# Altium PCB Pleiades_Frouf.PcbDoc (part 7 of 12) (continued)
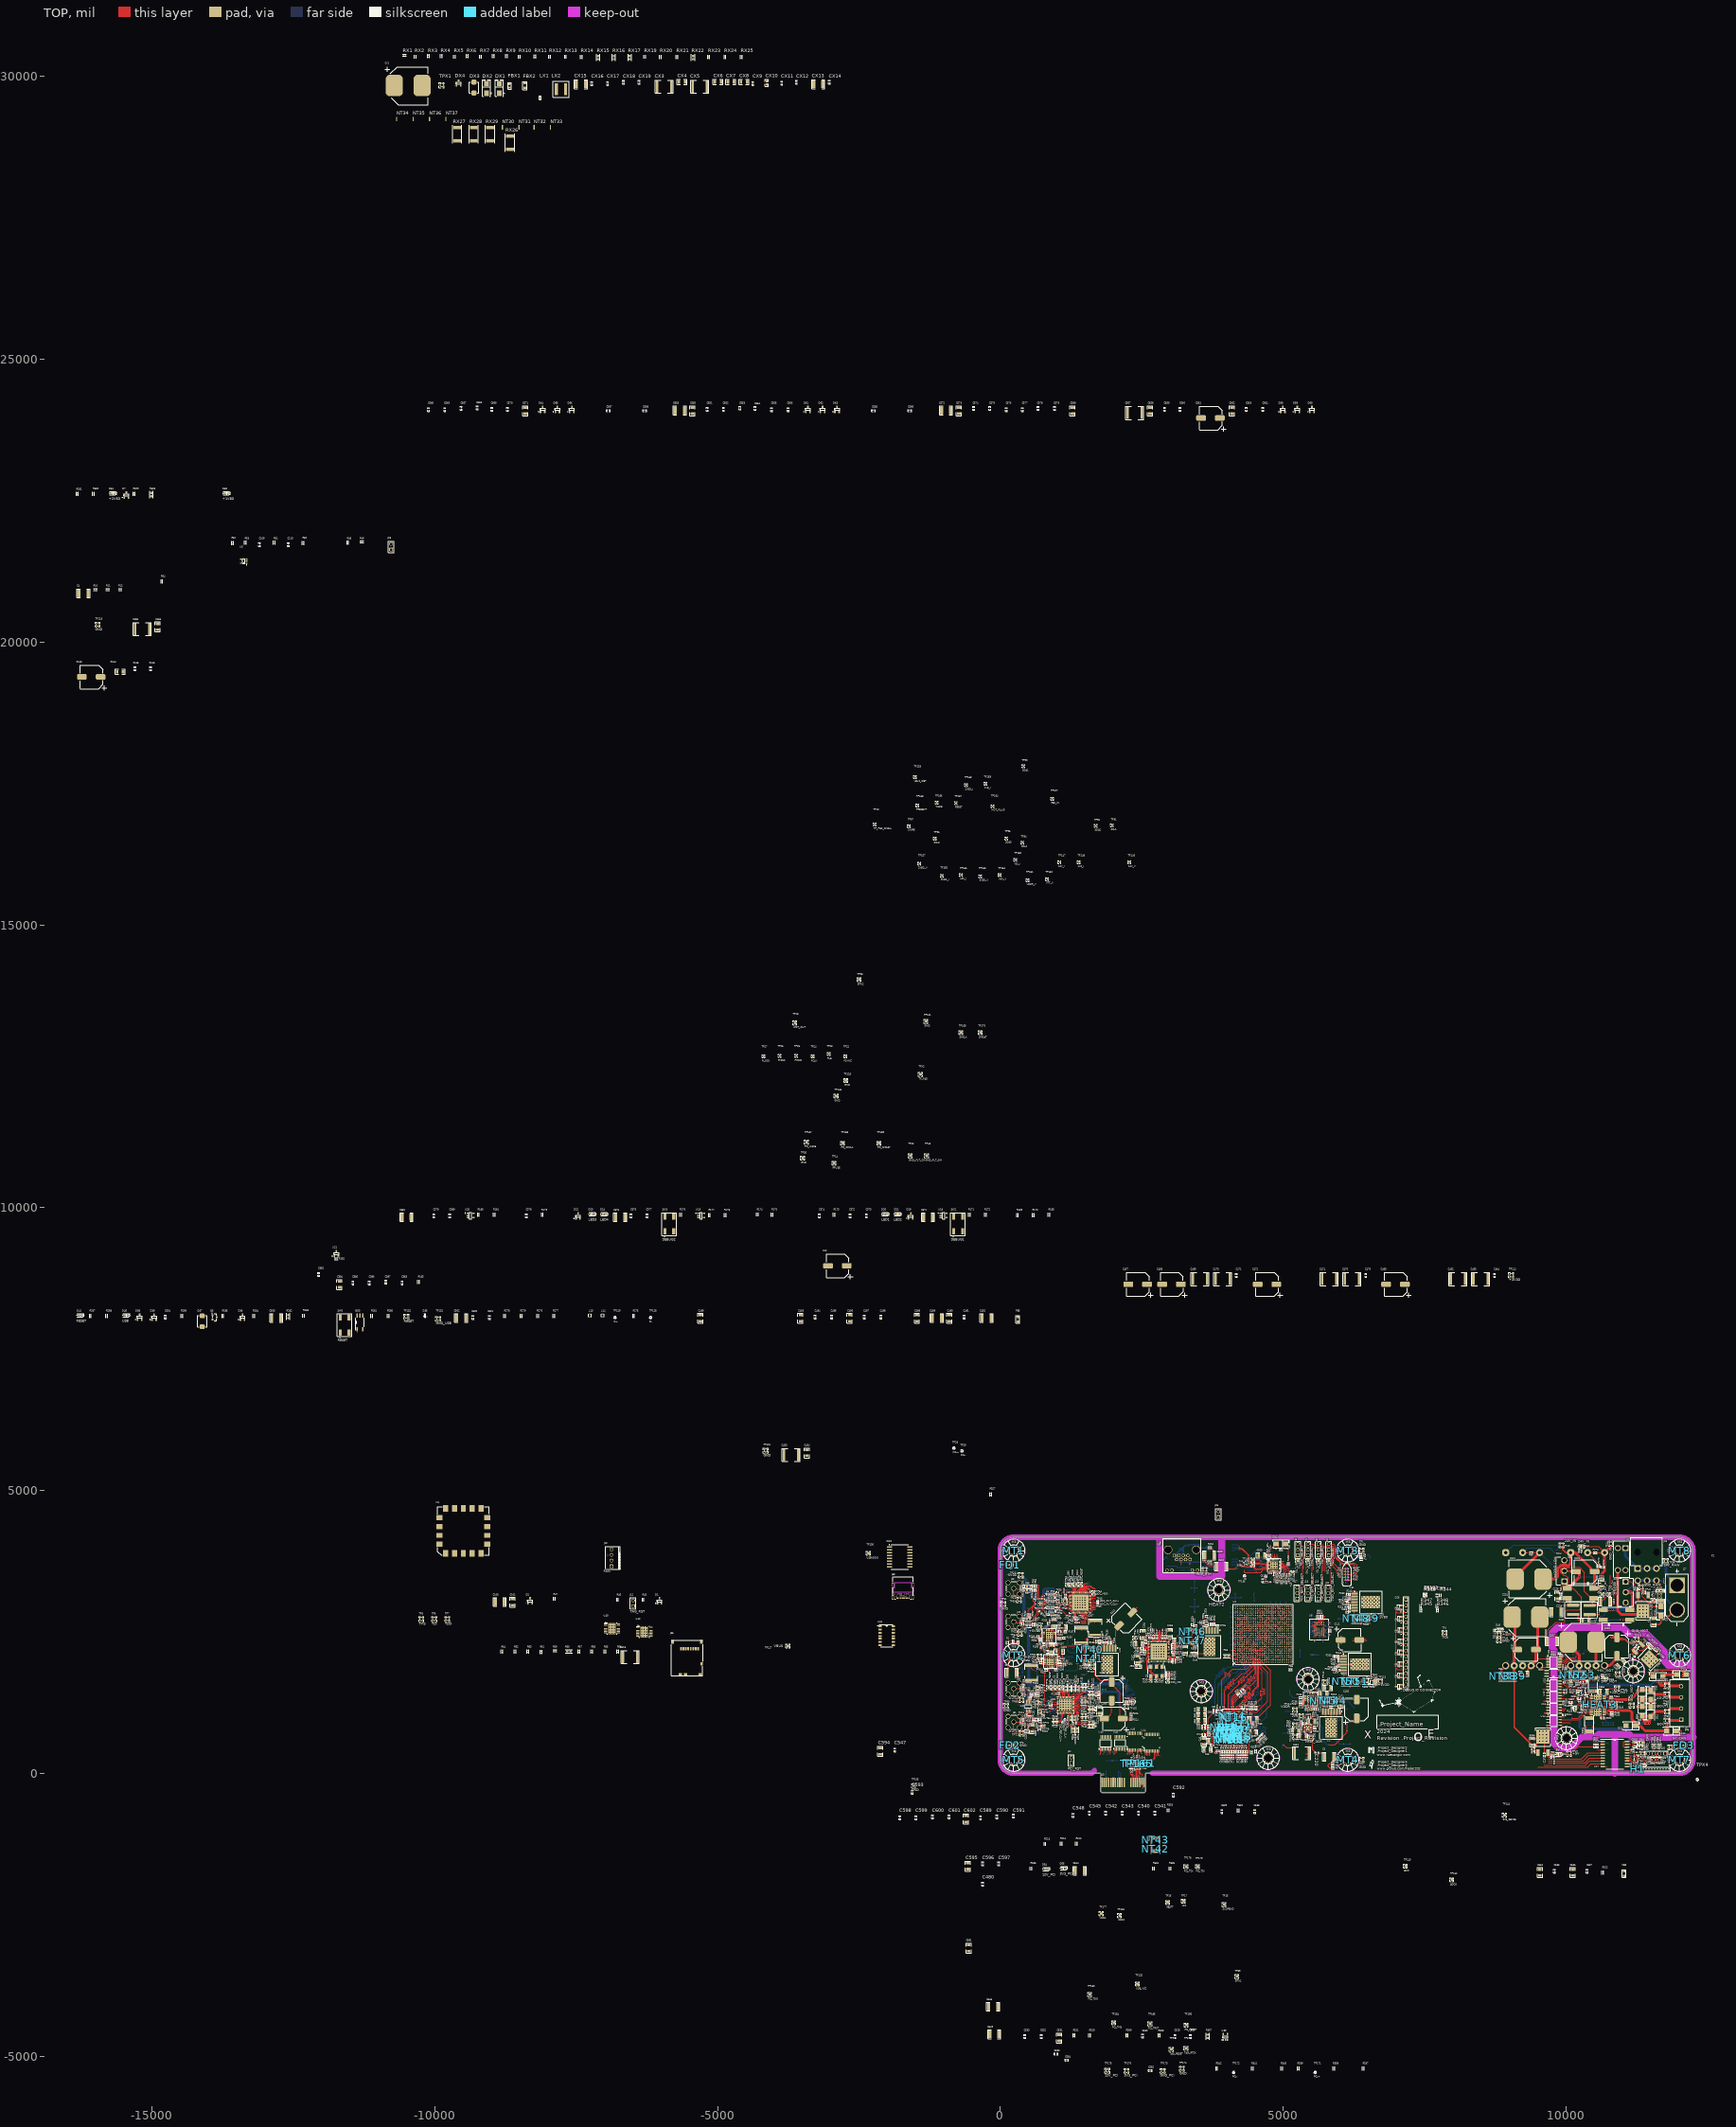
[diagram p0: TOP view]
## Nets (pads, with @x,y where several pads share a name; then routed paths per layer and width w, separated by ;. In a path a pad name is that pad's centre, name@x,y a point inside that pad or via, vN(x,y) a via of type N, cw(c..) or ccw(c..) an arc to the next point about the centre after c; other vN are vias at no path point) (continued)
CLK_ADC_OUT_N: TP50.1 U2.A13 U8.56 | length 230.9
  TOP w4.33: U8.56@1587.36,3006.92 1598.3,3006.92 1603.48,3012.1 1719.17,3012.1 1723.6,3007.67 ; TP50.1@1723.6,2987.23 1723.6,3007.67 ; 1766.66,3012.74 1726.97,3012.74 1723.6,3009.36 1723.6,3007.67 ; v1(4139.84,2452.6) 4155.43,2437.01 U2.A13@4157.48,2437.01
CLK_ADC_OUT_P: TP48.1 U2.C13 U8.57 | length 226
  TOP w4.33: U8.57@1587.36,3026.6 1598.3,3026.6 1603.48,3021.42 1719.57,3021.42 1723.6,3025.45 ; TP48.1@1723.6,3042.5 1723.6,3025.45 ; 1766.66,3022.07 1726.13,3022.07 1723.6,3024.6 1723.6,3025.45 ; U2.C13@4236.22,2437.01 v1(4251.93,2452.72) v1@4251.93,2454.45
CLK_DAC_200MHZ_3_N: R125.1 U4.20 U10.4 | length 3670.9
  TOP w4.33: R125.1@999.16,883.4 999.16,910.51 1001.69,913.04 1015.9,913.04 1018.72,915.85 1023.95,915.85 1026.6,913.21 v1@1028.59,913.21 ; v1@1027.36,911.97 v1@1028.59,913.21 ; v1(1028.67,913.21) v1@1028.59,913.21 ; U10.4@1105.94,1071.38 1105.94,1059.45 1100.77,1054.27 1100.77,1005.59 1086.01,990.84 1086.01,944.69 1070.44,929.11 1070.44,921.03 1056,906.59 1044.69,906.59 1037.88,913.4 1028.79,913.4 v1@1028.59,913.21 ; U4.20@2889.76,2327.91 2889.76,2338.85 2894.94,2344.03 2894.94,2380.19 2890.86,2384.27 2890.86,2430.05 v1(2890.6,2430.32)
  IN2 w2.87: v1(1028.67,913.21) 1028.67,1381.17 1046.74,1399.23 1046.74,2273.83 1098.48,2325.57 2796.72,2325.57 2889.85,2418.69 2889.85,2429.56 v1(2890.6,2430.32) v1@2886.63,2430.32
CLK_DAC_200MHZ_3_P: R126.1 U4.19 U10.3 | length 3619.1
  TOP w4.33: R126.1@999.16,952.01 999.16,924.9 1001.69,922.37 1012.04,922.37 1017.89,928.22 v1@1045.75,928.22 ; v1@1046.96,929.42 v1(1045.94,928.4) v1@1045.75,928.22 ; U10.3@1086.26,1071.38 1086.26,1059.45 1091.44,1054.27 1091.44,1009.45 1076.69,994.7 1076.69,948.55 1061.12,932.98 1061.12,924.89 1052.14,915.91 1048.55,915.91 1045.5,918.96 1045.5,927.97 v1@1045.75,928.22 ; v1(2905,2410) 2905,2407.92 2900.19,2403.11 2900.19,2388.13 2904.27,2384.05 2904.27,2344.03 2909.45,2338.85 U4.19@2909.45,2327.91
  IN2 w2.87: v1(1045.94,928.4) 1045.94,928.66 1037.84,936.75 1037.84,1377.37 1052.57,1392.1 1052.57,1393.94 1055.26,1396.62 1055.26,1402.38 1054.61,1403.03 1054.61,2270.57 1101.74,2317.69 2799.98,2317.69 2891.54,2409.25 2904.25,2409.25 v1(2905,2410)
CLK_FPGA_100MHZ_N: TP29.1 U2.B14 U4.28 | length 174.9
  TOP w4.33: U4.28@2732.28,2327.91 2732.28,2338.85 2737.46,2344.03 2737.46,2475 ; U2.B14@4196.85,2476.38 4197.56,2476.38 v1(4215.2,2458.74)
CLK_FPGA_100MHZ_P: TP28.1 U2.A14 U4.27 | length 175.3
  TOP w4.33: 2746.79,2475 2746.79,2344.03 2751.97,2338.85 U4.27@2751.97,2327.91 ; U2.A14@4157.48,2476.38 v1(4175.12,2458.74) v1@4176.22,2458.74
CLKOUT: U2.AD18 U5.C2 | length 48.6
  TOP w6: U2.AD18@5062.99,2633.86 5081.34,2615.51 v1(5081.34,2615) ; v1(5671.79,2515.07) 5687.19,2499.67 U5.C2@5687.5,2499.67
COL_CONFIG0: U2.R24 U38.28 | length 127.9
  TOP w6: U2.R24@4708.66,2870.08 4710.74,2870.08 v1(4730,2850.82) ; U38.28@4853.86,3774.83 4853.86,3873.37
CRS_CONFIG1: U2.N20 U38.29 | length 76.2
  TOP w6: U2.N20@4629.92,2712.6 4631.38,2712.6 v1(4648.78,2730) ; U38.29@4834.17,3774.83 4834.17,3825
D0_N: R148.1 U2.F11 U10.28 | length 174.8
  TOP w4.33: R148.1@1157.01,1470.95 1157.01,1440.49 1204.37,1393.13 U10.28@1204.37,1345 ; U2.F11@4354.33,2358.27 4354.33,2361.81 v1(4372.52,2380)
D0_P: R145.1 U2.D11 U10.27 | length 153.8
  TOP w4.33: U10.27@1224.06,1345 1224.06,1466.71 R145.1@1228.2,1470.86 ; U2.D11@4275.59,2358.27 4275.59,2358.98 v1(4293.62,2377.01)
D1_N: R141.1 U2.E9 U10.26 | length 192.7
  TOP w4.33: U10.26@1243.74,1345 1243.74,1373.68 1250.69,1380.63 1276.91,1380.63 1300.99,1404.71 R141.1@1300.99,1469.09 ; v1(4293.62,2299.39) 4295.1,2299.39 U2.E9@4314.96,2279.53
D1_P: R138.1 U2.F9 U10.25 | length 214.7
  TOP w4.33: U10.25@1263.43,1345 1263.43,1350.96 1266.52,1354.06 1294.02,1354.06 1368.85,1428.89 R138.1@1368.85,1471.83 ; U2.F9@4354.33,2279.53 v1(4373.59,2298.79) v1@4374.44,2298.79
D2_N: R135.1 U2.A11 U10.24 | length 342.8
  TOP w4.33: U10.24@1291.97,1316.46 1301.38,1316.46 1412.6,1427.68 1412.6,1518.36 1454.03,1559.79 R135.1@1454.03,1560.7 ; v1(4140.08,2377.01) 4157.48,2359.61 U2.A11@4157.48,2358.27
D2_P: R132.1 U2.C11 U10.23 | length 309.9
  TOP w4.33: U10.23@1291.97,1296.77 1314.65,1296.77 1454.03,1436.14 R132.1@1454.03,1495.62 ; U2.C11@4236.22,2358.27 v1(4257.69,2379.74) v1@4257.69,2380
D3_N: R147.1 U2.C10 U10.22 | length 351
  TOP w4.33: U10.22@1291.97,1277.09 1317.88,1277.09 1468.93,1428.13 R147.1@1580.36,1428.13
D3_P: R144.1 U2.D10 U10.21 | length 361.4
  TOP w4.33: U10.21@1291.97,1257.4 1330.08,1257.4 1425.5,1352.83 1425.5,1360.6 1428.04,1363.13 R144.1@1579.8,1363.13 ; v1(4257.69,2336.54) 4275.33,2318.9 U2.D10@4275.59,2318.9
D4_N: R140.1 U2.C8 U10.16 | length 237.8
  TOP w4.33: U10.16@1291.97,1158.98 1351.14,1158.98 1443.11,1067 1443.11,1047.24 R140.1@1452.73,1037.62 ; v1(4236.22,2225) U2.C8@4236.22,2240.16
D4_P: R137.1 U2.D8 U10.15 | length 302.5
  TOP w4.33: U10.15@1291.97,1139.29 1327.03,1139.29 1390.84,1075.49 1390.84,1009.71 1429.48,971.07 R137.1@1453.17,971.07 ; U2.D8@4275.59,2240.16 4275.59,2242.99 v1(4297,2264.41)
D5_N: R134.1 U2.A8 U10.14 | length 498.6
  TOP w4.33: U10.14@1291.97,1119.61 1313.55,1119.61 1368.48,1064.68 1368.48,902.86 1371.01,900.33 R134.1@1576.34,900.33 ; v1(4140.08,2261.57) 4140.08,2257.56 U2.A8@4157.48,2240.16
D5_P: R131.1 U2.B8 U10.13 | length 514
  TOP w4.33: U10.13@1291.97,1099.92 1303.19,1099.92 1351.14,1051.97 1351.14,887.26 1365.44,872.96 1501.68,872.96 1544.58,830.06 R131.1@1574.59,830.06 ; v1(4180,2225) 4181.69,2225 U2.B8@4196.85,2240.16
D6_N: R146.1 U2.A9 U10.12 | length 140.5
  TOP w4.33: U10.12@1263.43,1071.38 1263.43,1065.41 1266.52,1062.32 1288.59,1062.32 1314.65,1036.26 1314.65,1003.45 R146.1@1313.02,1001.82 ; v1(4129.37,2298.79) 4138.22,2298.79 U2.A9@4157.48,2279.53
D6_P: R143.1 U2.C9 U10.11 | length 96.2
  TOP w4.33: U10.11@1243.74,1071.38 1243.74,1002.23 R143.1@1244.16,1001.82 ; v1(4218.82,2298.79) 4236.22,2281.39 U2.C9@4236.22,2279.53
D7_N: R139.1 U2.A10 U10.10 | length 435.5
  TOP w4.33: U10.10@1224.06,1071.38 1224.06,1037.45 1204.37,1017.77 1204.37,888.85 1272.77,820.45 1350.81,820.45 1358.35,812.91 R139.1@1358.35,788.99 ; v1(4129.37,2336.54) 4139.84,2336.54 U2.A10@4157.48,2318.9
D7_P: R136.1 U2.B10 U10.9 | length 370.9
  TOP w4.33: U10.9@1204.37,1071.38 1204.37,1035.51 1187.01,1018.15 1187.01,874.75 1271.62,790.15 1289.82,790.15 1292.62,787.34 R136.1@1294.27,788.99 ; v1(4180,2304.12) 4194.78,2318.9 U2.B10@4196.85,2318.9
DA0_N: U2.C14 U8.40 | length 239.2
  TOP w4.33: U8.40@1401.34,2840.58 1401.34,2829.64 1406.52,2824.46 1406.52,2815.1 1498.93,2722.68 1549.6,2722.68 ; U2.C14@4236.22,2476.38 4257.24,2497.4 v1(4257.69,2497.4)
DA0_P: U2.D14 U8.41 | length 220.8
  TOP w4.33: U8.41@1421.02,2840.58 1421.02,2829.64 1415.84,2824.46 1415.84,2818.96 1502.8,2732.01 1549.6,2732.01 ; U2.D14@4275.59,2476.38 4276.48,2476.38 v1(4295.1,2495)
DA2_N: U2.A15 U8.42 | length 190.6
  TOP w4.33: U8.42@1440.71,2840.58 1440.71,2829.64 1445.89,2824.46 1445.89,2815.1 1521.65,2739.33 1549.6,2739.33 ; U2.A15@4157.48,2515.75 4158.44,2515.75 4176.79,2497.4 v1(4177.74,2497.4)
DA2_P: U2.C15 U8.43 | length 177.1
  TOP w4.33: U8.43@1460.39,2840.58 1460.39,2829.64 1455.21,2824.46 1455.21,2818.96 1525.52,2748.66 1549.6,2748.66 ; v1(4214.58,2535.41) 4215.57,2535.41 4235.24,2515.75 U2.C15@4236.22,2515.75
DA4_N: U2.A16 U8.44 | length 135.3
  TOP w4.33: U8.44@1480.08,2840.58 1480.08,2829.64 1485.26,2824.46 1485.26,2815.1 1537.96,2762.39 1546.38,2762.39 ; v1(4143.02,2536.38) 4144.48,2537.85 4144.48,2542.12 U2.A16@4157.48,2555.12
DA4_P: U2.B16 U8.45 | length 131.9
  TOP w4.33: U8.45@1499.76,2840.58 1499.76,2829.64 1494.58,2824.46 1494.58,2818.96 1541.83,2771.72 1556.6,2771.72 ; v1@4178.06,2536.38 U2.B16@4196.8,2555.12
  other v1: 4178.02,2536.38
DA6_N: U2.G14 U8.46 | length 94.9
  TOP w4.33: U8.46@1519.45,2840.58 1519.45,2829.64 1524.63,2824.46 1524.63,2802.56 1542.52,2784.67 1572,2784.67
DA6_P: U2.J14 U8.47 | length 69.9
  TOP w4.33: U8.47@1539.13,2840.58 1539.13,2829.64 1533.95,2824.46 1533.95,2806.42 1546.38,2794 1562.4,2794
DA8_N: U2.H15 U8.50 | length 123.5
  TOP w4.33: U8.50@1587.36,2888.81 1598.3,2888.81 1603.48,2893.99 1685,2893.99 ; U2.H15@4433.07,2515.75 4434.05,2515.75 v1(4450.15,2531.85)
DA8_P: U2.J15 U8.51 | length 124.5
  TOP w4.33: U8.51@1587.36,2908.49 1598.3,2908.49 1603.48,2903.31 1685,2903.31 ; U2.J15@4472.44,2515.75 v1(4489.8,2533.11) v1@4490,2533.11
DA10_N: U2.C16 U8.52 | length 126.2
  TOP w4.33: U8.52@1587.36,2928.18 1598.3,2928.18 1603.48,2933.36 1685,2933.36 ; U2.C16@4236.22,2555.12 4237.29,2555.12 v1(4255.24,2537.17)
DA10_P: U2.D16 U8.53 | length 123.8
  TOP w4.33: U8.53@1587.36,2947.86 1598.3,2947.86 1603.48,2942.68 1685,2942.68 ; U2.D16@4275.59,2555.12 4275.59,2551.81 v1(4290.24,2537.17)
DA12_N: U2.F15 U8.54 | length 134.9
  TOP w4.33: U8.54@1587.36,2967.55 1598.3,2967.55 1603.48,2972.73 1685,2972.73 ; U2.F15@4354.33,2515.75 4375.75,2537.17 v1(4380.59,2537.17)
DA12_P: U2.G16 U8.55 | length 128
  TOP w4.33: U8.55@1587.36,2987.23 1598.3,2987.23 1603.48,2982.05 1685,2982.05 ; U2.G16@4393.7,2555.12 4411.06,2572.48 v1(4411.06,2576.14)
DAC_SCLK: TP73.1 U2.P6 U10.32 | length 249.4
  TOP w6: TP73.1@1014.37,1521.29 1125.63,1410.03 U10.32@1125.63,1345 ; U2.P6@4669.29,2161.42 4669.29,2160.23 4686.69,2142.83 v1(4686.69,2141.65)
DB0_N: U2.E16 U8.60 | length 124.2
  TOP w4.33: U8.60@1587.36,3085.66 1598.3,3085.66 1603.48,3090.84 1681.14,3090.84 ; U2.E16@4314.96,2555.12 4332.56,2572.72 v1(4332.56,2576.14)
DB0_P: U2.F16 U8.61 | length 119.6
  TOP w4.33: U8.61@1587.36,3105.34 1598.3,3105.34 1603.48,3100.16 1681.14,3100.16 ; U2.F16@4354.33,2555.12 4354.33,2558.01 v1(4369.05,2572.72)
DB2_N: U2.A17 U8.62 | length 122.2
  TOP w4.33: U8.62@1587.36,3125.03 1598.3,3125.03 1603.48,3130.21 1681.14,3130.21 ; U2.A17@4157.48,2594.49 4158.18,2594.49 v1(4176.3,2612.6)
DB2_P: U2.C17 U8.63 | length 124.4
  TOP w4.33: U8.63@1587.36,3144.71 1598.3,3144.71 1603.48,3139.53 1681.14,3139.53 ; U2.C17@4236.22,2594.49 4239.12,2594.49 v1(4257.24,2612.6)
DB4_N: U2.D19 U8.2 | length 66.2
  TOP w4.33: v1(1528.17,3220.56) 1530.89,3220.56 1533.07,3222.74 1538.63,3217.17 1538.63,3193.44 U8.2@1539.13,3192.94 ; U2.D19@4275.59,2673.23 4275.59,2674.07 v1(4294.86,2693.33)
DB4_P: U2.E19 U8.3 | length 116.7
  TOP w4.33: U8.3@1519.45,3192.94 1518.58,3193.81 1518.58,3210.22 1513.97,3214.83 1513.97,3230.65 1524.05,3240.73 1542.09,3240.73 1547.45,3235.37 1549.18,3235.37 v1(1549.18,3229.9) ; U2.E19@4314.96,2673.23 v1(4335.07,2693.33) v1@4336.3,2693.33
DB6_N: U2.D20 U8.4 | length 3244.8
  TOP w4.33: U8.4@1499.76,3192.94 1499.76,3203.88 1494.58,3209.06 1494.58,3238.73 1516.16,3260.3 1537.4,3260.3 1559.36,3238.34 1580.66,3238.34 v1(1587.5,3231.5)
  TOP w6: U2.D20@4275.59,2712.6 v1(4294.17,2731.18) v1@4298.76,2731.18
  IN2 w2.87: v1(1587.5,3231.5) 1589.83,3231.5 1596.75,3238.42 1606.21,3238.42 1613.27,3245.47 1613.27,3249.1 1662.31,3298.14 1760.47,3298.14 1857.78,3200.83 3664.89,3200.83 4156.35,2709.37 4181.51,2709.37 4192.14,2698.75 4257.66,2698.75 4279.63,2720.72 4279.63,2735.46 4288.66,2744.49 4301.44,2744.49 4310.68,2735.24 4310.68,2732.86 4309,2731.18 v1(4294.17,2731.18)
DB6_P: U2.E20 U8.5 | length 3268.6
  TOP w4.33: U8.5@1480.08,3192.94 1480.08,3203.88 1485.26,3209.06 1485.26,3242.59 1512.3,3269.63 1541.26,3269.63 1563.22,3247.67 1580.66,3247.67 v1(1587.5,3254.5)
  TOP w6: U2.E20@4314.96,2712.6 4316.48,2712.6 v1(4335.07,2731.18)
  IN2 w2.87: v1(1587.5,3254.5) 1589.83,3254.5 1596.75,3247.59 1602.42,3247.59 1604.1,3249.27 1604.1,3252.89 1658.52,3307.31 1764.27,3307.31 1861.58,3210 3668.69,3210 4160.14,2718.54 4172.31,2718.54 4173.61,2717.24 4186.61,2717.24 4195.94,2707.92 4253.86,2707.92 4271.76,2725.82 4271.76,2738.72 4285.4,2752.36 4304.7,2752.36 4318.55,2738.5 4318.55,2732.86 4320.24,2731.18 v1(4335.07,2731.18)
DB8_N: U2.C20 U8.6 | length 3171.5
  TOP w4.33: U8.6@1460.39,3192.94 1460.39,3203.88 1455.21,3209.06 1455.21,3222.91 1510.08,3277.78 1526.28,3277.78 1527.1,3276.96 1552.55,3276.96 v1(1561.09,3268.42) ; U2.C20@4236.22,2712.6 4236.71,2712.6 v1(4256.33,2732.21)
  IN2 w2.87: v1(1561.09,3268.42) 1562.79,3270.12 1562.79,3284.02 1574.22,3295.46 1626.68,3295.46 1651.55,3320.33 1756.88,3320.33 1764.02,3313.18 1766.7,3313.18 1773.63,3306.25 3596.69,3306.25 4154.83,2748.11 4208.58,2748.11 4209.72,2746.97 4256.42,2746.97 4258.1,2745.29 4258.1,2733.99 v1(4256.33,2732.21)
DB8_P: U2.D21 U8.7 | length 3170.3
  TOP w4.33: U8.7@1440.71,3192.94 1440.71,3203.88 1445.89,3209.06 1445.89,3226.77 1506.22,3287.1 1530.15,3287.1 1530.97,3286.28 1537.73,3286.28 1543.65,3292.2 v1(1544.1,3292.2) ; v1(4259.88,2770.9) 4259.88,2769.29 4275.59,2753.57 U2.D21@4275.59,2751.97
  IN2 w2.87: v1(1544.1,3292.2) 1545.8,3290.5 1556.3,3290.5 1570.42,3304.63 1622.88,3304.63 1647.75,3329.5 1760.67,3329.5 1767.82,3322.36 1770.5,3322.36 1777.43,3315.42 3600.49,3315.42 4158.62,2757.29 4212.38,2757.29 4213.52,2756.14 4256.42,2756.14 4258.1,2757.82 4258.1,2769.12 v1(4259.88,2770.9)
DB10_N: U2.C18 U8.8 | length 3232.6
  TOP w4.33: U8.8@1421.02,3192.94 1421.02,3203.88 1415.84,3209.06 1415.84,3225.97 1495.24,3305.37 1593.1,3305.37 1636.54,3261.92 1674.77,3261.92 1681.14,3255.55 v1(1681.14,3254.5) ; U2.C18@4236.22,2633.86 4236.74,2633.86 4255.32,2652.44 v1(4255.84,2652.44)
  IN2 w2.87: v1(1681.14,3254.5) 1683.6,3254.5 1690.38,3261.29 1706.77,3261.29 1724.98,3279.5 1746.66,3279.5 1890.42,3135.74 3679.26,3135.74 3837.69,2977.31 3856.94,2977.31 4163.82,2670.44 4234.91,2670.44 4246.65,2658.71 4254.54,2658.71 4255.84,2660.01 v1(4255.84,2652.44)
DB10_P: U2.D18 U8.9 | length 3285
  TOP w4.33: U8.9@1401.34,3192.94 1401.34,3203.88 1406.52,3209.06 1406.52,3229.83 1491.38,3314.69 1596.96,3314.69 1640.4,3271.25 1678.22,3271.25 1684.21,3277.24 v1(1684.59,3277.24) ; U2.D18@4275.59,2633.86 v1(4294.86,2653.12) v1@4295.1,2653.12
  IN2 w2.87: v1(1684.59,3277.24) 1687.05,3277.24 1693.83,3270.46 1702.97,3270.46 1721.18,3288.67 1750.45,3288.67 1894.22,3144.91 3683.06,3144.91 3841.48,2986.49 3860.74,2986.49 4168.72,2678.5 4181.51,2678.5 4182.62,2679.61 4238.71,2679.61 4250.44,2667.88 4262.23,2667.88 4276.98,2653.12 v1(4294.86,2653.12)
DB12_N: U2.E17 U8.10 | length 3684.9
  TOP w4.33: U8.10@1381.65,3192.94 1381.65,3203.88 1376.47,3209.06 1376.47,3230.29 1495.05,3348.87 1534.49,3348.87 1540.86,3342.5 v1(1540.86,3342.06) ; U2.E17@4314.96,2594.49 4314.96,2597.05 v1(4332.91,2615)
  IN2 w2.87: v1(1540.86,3342.06) 1543.22,3342.06 1550.1,3348.94 3592.56,3348.94 3869.05,3072.45 4246,3072.45 4413.32,2905.13 4413.32,2672.06 4380.83,2639.56 4366.99,2639.56 4349.09,2621.66 4349.09,2615.48 4347.41,2613.8 4334.11,2613.8 v1(4332.91,2615)
DB12_P: U2.F17 U8.11 | length 3715.2
  TOP w4.33: U8.11@1361.97,3192.94 1361.97,3203.88 1367.15,3209.06 1367.15,3234.16 1491.18,3358.19 1536.15,3358.19 1542.52,3364.56 v1(1542.52,3365) ; U2.F17@4354.33,2594.49 4372.45,2612.6 v1(4374.44,2612.6)
  IN2 w2.87: v1(1542.52,3365) 1544.88,3365 1551.76,3358.12 3596.36,3358.12 3872.85,3081.63 4249.8,3081.63 4422.5,2908.93 4422.5,2668.26 4384.63,2630.39 4370.79,2630.39 4358.26,2617.86 4358.26,2615.48 4361.13,2612.61 v1(4374.44,2612.6)
DCI_N: R133.1 U2.D7 U10.18 | length 323.6
  TOP w4.33: U10.18@1291.97,1198.35 1390.84,1198.35 1412.6,1176.58 1568.7,1176.58 R133.1@1579.8,1165.49 ; U2.D7@4275.59,2200.79 4275.59,2202.22 v1(4290.24,2216.86)
DCI_P: R130.1 U2.E8 U10.17 | length 346.7
  TOP w4.33: U10.17@1291.97,1178.66 1373.94,1178.66 1412.6,1140 1539.64,1140 R130.1@1580.49,1099.15 ; U2.E8@4314.96,2240.16 4332.56,2257.76 v1(4332.91,2257.76)
DD_14_+: ISO2.10 L14.4
DD_14_-: ISO2.11 L14.1
DDR_PWR_EN: R229.2 U2.AE26 | length 28.8
  TOP w6: v1(5081.34,2930) 5083.54,2930 U2.AE26@5102.36,2948.82
DDR_SW_EN: R221.2 R225.1 U2.AA25 | length 72.9
  TOP w6: U2.AA25@4944.88,2909.45 4944.88,2907.52 v1(4964.33,2888.07)
  BOT w6: R221.2@5936.57,1129.35 R225.1@5936.57,1172.78
DDR_VTT_EN: R223.1 U2.AE25 | length 27.9
  TOP w6: U2.AE25@5102.36,2909.45 5102.36,2912.36 v1(5120,2930)
DEBUG_LED_1: R169.1 U2.AF9
DEBUG_LED_2: R170.1 U2.AD11
DEBUG_LED_3: R177.1 U2.AE11
DEBUG_LED_4: R178.1 U2.AF11
DECAY_12: C352.1 R162.1 R163.1 U13.5 | length 261.1
  TOP w8: v1(10375.38,1250.39) 10389.86,1264.86 U13.5@10456.79,1264.86
  BOT w8: v1(10069.33,1238.71) 10132.99,1238.71 ; R162.1@10122.5,1290.41 10122.5,1249.2 10132.99,1238.71 ; R163.1@10150.01,1200.89 10149.25,1201.65 10149.25,1237.95 C352.1@10148.49,1238.71 10132.99,1238.71
DIR_12: U13.3 U15.7 | length 675.4
  TOP w8: U15.7@9895.07,1581.99 9961.5,1581.99 9966.19,1577.3 9966.19,1571.31 10162.39,1375.1 10281.13,1375.1 10340.19,1316.04 U13.3@10456.79,1316.04
DIR_ISO: U2.P20 U15.2
DQ0: U1.E3 U2.H3 | length 1871.4
  TOP w8.89: v1(4156.49,884.91) 4157.08,884.31 4161.08,884.31 4171.37,874.02 4173.23,874.02 ; v1(4401.43,2025.01) 4402.02,2025.61 4415.37,2025.61 U2.H3@4433.07,2043.31
  BOT w8.89: v1(4156.49,884.91) 4171.49,884.91 4212.39,844 4554.86,844 4715,1004.14 4715,1742.79 4432.77,2025.01 v1(4401.43,2025.01)
DQ1: U1.F7 U2.H1 | length 1874.6
  TOP w8.89: 4204.72,874.02 4204.82,874.02 4220.81,890 v1(4220.9,890) ; U2.H1@4433.07,1964.57 4433.07,1937.74 4434.22,1936.6 v1(4434.22,1935.76)
  BOT w8.89: v1(4220.9,890) 4411.31,890 4418.4,897.09 4421.54,900.23 ccw(c4411.32,910.44) 4421.54,920.66 4406.61,935.58 cw(c4416.83,945.8) 4406.61,956.01 cw(c4416.83,945.8) 4427.04,956.01 4476.16,906.89 ccw(c4486.38,917.11) 4496.59,906.89 ccw(c4486.38,917.11) 4496.59,927.32 4447.47,976.44 cw(c4457.68,986.66) 4447.47,996.87 cw(c4457.68,986.66) 4467.9,996.87 4517.02,947.75 ccw(c4527.23,957.96) 4537.45,947.75 ccw(c4527.23,957.96) 4537.45,968.18 4488.33,1017.3 cw(c4498.54,1027.51) 4488.33,1037.73 cw(c4498.54,1027.51) 4508.75,1037.73 4523.68,1022.8 ccw(c4533.9,1033.01) 4544.11,1022.8 4568.98,1047.67 4624.75,1103.44 4624.75,1745.22 v1(4434.22,1935.76)
DQ2: U1.F2 U2.G2 | length 1875.7
  TOP w8.89: 4204.72,937.01 4204.72,936.54 4220.81,920.46 v1(4220.81,920) ; U2.G2@4393.7,2003.94 4395.12,2003.94 4408.01,1991.04 v1(4408.86,1991.04)
  BOT w8.89: v1(4220.81,920) 4237.81,937.01 4301.78,937.01 4556.34,1191.57 4556.34,1268.04 4512.83,1311.55 4512.83,1364.89 cw(c4537.27,1364.89) 4537.27,1389.34 4542.26,1389.34 ccw(c4542.26,1413.78) 4542.26,1438.23 4495.38,1438.23 cw(c4495.38,1462.67) 4495.38,1487.12 4542.26,1487.12 ccw(c4542.26,1511.56) 4542.26,1536.01 4495.38,1536.01 cw(c4495.38,1560.45) 4495.38,1584.9 4542.26,1584.9 ccw(c4542.26,1609.34) 4542.26,1633.79 4495.38,1633.79 cw(c4495.38,1658.23) 4495.38,1682.68 4542.26,1682.68 ccw(c4542.26,1707.12) 4542.26,1731.57 4524.45,1731.57 cw(c4524.45,1756.01) 4500,1756.01 4500,1787.41 4500,1833.5 4412.85,1920.65 4412.85,1945.55 4413.96,1946.67 4413.96,1967.26 4409.45,1971.77 4409.45,1990.45 v1(4408.86,1991.04)
DQ3: U1.F8 U2.G1 | length 1889.1
  TOP w8.89: 4173.23,937.01 4175.08,937.01 4188.04,949.96 4190.99,949.96 v1(4191.58,950.55) ; U2.G1@4393.7,1964.57 4393.7,1934.82 4400.03,1928.49 4400.03,1911.63 v1(4400.62,1911.03)
  BOT w8.89: v1(4191.58,950.55) 4215.9,950.55 4246.56,981.22 4275.78,981.22 4421.2,1126.63 4421.2,1134.7 ; v1(4400.62,1911.03) 4399.78,1911.03 4390.1,1901.35 4384.85,1901.35 4379.64,1896.14 4379.64,1882.28 4421.2,1840.72 4421.2,1415.82 4421.2,1396.36 ccw(c4435.64,1396.36) 4435.64,1381.91 4456.75,1381.91 cw(c4456.75,1367.47) 4456.75,1353.02 4385.64,1353.02 ccw(c4385.64,1338.58) 4385.64,1324.13 4456.75,1324.13 cw(c4456.75,1309.69) 4456.75,1295.24 4385.64,1295.24 ccw(c4385.64,1280.8) 4385.64,1266.35 4456.75,1266.35 cw(c4456.75,1251.91) 4456.75,1237.46 4385.64,1237.46 ccw(c4385.64,1223.02) 4385.64,1208.57 4456.75,1208.57 cw(c4456.75,1194.13) 4456.75,1179.68 4385.64,1179.68 ccw(c4385.64,1165.24) 4385.64,1150.79 4406.75,1150.79 cw(c4406.75,1136.34) 4421.19,1136.34 4421.2,1134.7 ; 4418.4,1131.9 4421.2,1134.7
DQ4: U1.H3 U2.D3 | length 1876.2
  TOP w8.89: v1(4034.83,985) 4034.83,984.16 4047.24,971.75 4047.24,968.5 ; U2.D3@4275.59,2043.31 4277.98,2043.31 4290.55,2030.74 4292.36,2030.74 v1(4292.95,2030.14)
  BOT w8.89: v1(4034.83,985) 3916.19,985 3852.6,1048.59 3852.6,1532.4 3854.17,1533.97 3857.31,1537.11 ccw(c3847.1,1547.32) 3857.31,1557.54 3856.53,1558.32 cw(c3866.74,1568.54) 3856.53,1578.75 cw(c3866.74,1568.54) 3876.96,1578.75 3898.96,1556.75 ccw(c3909.17,1566.97) 3919.38,1556.75 ccw(c3909.17,1566.97) 3919.38,1577.18 3897.39,1599.18 cw(c3907.6,1609.4) 3897.39,1619.61 cw(c3907.6,1609.4) 3917.81,1619.61 3939.81,1597.61 ccw(c3950.03,1607.83) 3960.24,1597.61 ccw(c3950.03,1607.83) 3960.24,1618.04 3938.24,1640.04 cw(c3948.46,1650.25) 3938.24,1660.47 cw(c3948.46,1650.25) 3958.67,1660.47 3980.67,1638.47 ccw(c3990.88,1648.68) 4001.1,1638.47 ccw(c3990.88,1648.68) 4001.1,1658.9 3979.1,1680.9 cw(c3989.32,1691.11) 3979.1,1701.32 cw(c3989.32,1691.11) 3999.53,1701.32 4021.53,1679.33 ccw(c4031.74,1689.54) 4041.96,1679.33 ccw(c4031.74,1689.54) 4041.96,1699.75 4019.96,1721.75 cw(c4030.17,1731.97) 4019.96,1742.18 cw(c4030.17,1731.97) 4040.39,1742.18 4041.17,1741.4 ccw(c4051.39,1751.61) 4061.6,1741.4 4092.33,1772.13 4093.15,1772.13 4166.06,1772.13 4292.95,1899.02 v1(4292.95,2030.14)
DQ5: U1.H8 U2.D1 | length 1875.2
  TOP w8.89: v1(4000.01,889.77) 4015.75,905.51 ; v1(4271.66,1940.38) 4271.66,1941.22 4273.9,1943.46 4273.9,1962.88 U2.D1@4275.59,1964.57
  BOT w8.89: v1(4000.01,889.77) 3881.5,889.77 3798.75,972.51 3798.75,1659.35 3820.71,1681.31 3823.86,1684.46 ccw(c3813.64,1694.67) 3823.86,1704.89 3817.9,1710.84 cw(c3828.11,1721.06) 3817.9,1731.27 cw(c3828.11,1721.06) 3838.33,1731.27 3857.96,1711.64 ccw(c3868.17,1721.86) 3878.39,1711.64 ccw(c3868.17,1721.86) 3878.39,1732.07 3858.76,1751.7 cw(c3868.97,1761.92) 3858.76,1772.13 cw(c3868.97,1761.92) 3879.19,1772.13 3898.81,1752.5 ccw(c3909.03,1762.72) 3919.24,1752.5 ccw(c3909.03,1762.72) 3919.24,1772.93 3899.61,1792.56 cw(c3909.83,1802.77) 3899.61,1812.99 cw(c3909.83,1802.77) 3920.04,1812.99 3939.67,1793.36 ccw(c3949.89,1803.57) 3960.1,1793.36 ccw(c3949.89,1803.57) 3960.1,1813.79 3940.47,1833.42 cw(c3950.69,1843.63) 3940.47,1853.84 cw(c3950.69,1843.63) 3960.9,1853.84 3966.86,1847.89 ccw(c3977.07,1858.1) 3987.29,1847.89 4002.6,1863.2 4017.2,1877.8 4079.04,1877.8 4095.32,1894.08 4225.52,1894.08 4271.66,1940.22 v1(4271.66,1940.38)
DQ6: U1.G2 U2.E2 | length 1899.7
  TOP w8.89: 4047.24,874.02 4098.05,924.83 4098.05,949.06 4097.16,949.96 v1(4097.16,975.03) ; U2.E2@4314.96,2003.94 4317.35,2003.94 4329.6,1991.69 4337.81,1991.69 v1(4338.4,1991.09)
  BOT w8.89: v1(4097.16,975.03) v1(4097.16,975.03) 4107.94,985.75 4107.94,996.82 4113.5,1002.38 4113.5,1138.6 4110.24,1141.86 4110.24,1146.31 ccw(c4095.79,1146.31) 4095.79,1160.75 4059.28,1160.75 cw(c4059.28,1175.2) 4059.28,1189.64 4100.71,1189.64 ccw(c4100.71,1204.09) 4100.71,1218.53 4059.28,1218.53 cw(c4059.28,1232.98) 4059.28,1247.43 4100.71,1247.43 ccw(c4100.71,1261.87) 4100.71,1276.32 4059.28,1276.32 cw(c4059.28,1290.76) 4059.28,1305.21 4100.71,1305.21 ccw(c4100.71,1319.65) 4100.71,1334.1 4059.28,1334.1 cw(c4059.28,1348.54) 4059.28,1362.99 4095.79,1362.99 ccw(c4095.79,1377.43) 4110.24,1377.43 4110.24,1442.4 4110.24,1446.85 ccw(c4095.79,1446.85) 4095.79,1461.3 4077.92,1461.3 cw(c4077.92,1475.74) 4077.92,1490.19 4145.79,1490.19 ccw(c4145.79,1504.63) 4145.79,1519.08 4124.68,1519.08 cw(c4124.68,1533.52) 4110.24,1533.52 4110.24,1543.15 4124.45,1557.36 4333.39,1766.3 4333.39,1898.65 4309.39,1922.66 4309.39,1941.73 4326.7,1959.05 4326.7,1978.55 4338.4,1990.25 v1(4338.4,1991.09)
DQ7: U1.H7 U2.E1 | length 1882
  TOP w8.89: 4015.75,937.01 4016.86,937.01 4033.64,953.79 v1(4034.48,953.79) ; U2.E1@4314.96,1964.57 4297.75,1947.36 4297.75,1900.06 4305.53,1892.28 4308.46,1892.28 4317.11,1883.63 v1(4317.95,1883.63)
  BOT w8.89: v1(4034.48,953.79) 4049.42,968.73 4049.42,972.47 4064.23,987.28 4064.23,1014.51 3959.47,1119.27 3959.47,1186.95 3959.47,1191.4 ccw(c3945.03,1191.4) 3945.03,1205.84 3914.33,1205.84 cw(c3914.33,1220.29) 3914.33,1234.74 3971.48,1234.74 ccw(c3971.48,1249.18) 3971.48,1263.63 3914.33,1263.63 cw(c3914.33,1278.07) 3914.33,1292.52 3971.48,1292.52 ccw(c3971.48,1306.96) 3971.48,1321.41 3914.33,1321.41 cw(c3914.33,1335.85) 3914.33,1350.3 3971.48,1350.3 ccw(c3971.48,1364.74) 3971.48,1379.19 3914.33,1379.19 cw(c3914.33,1393.63) 3914.33,1408.08 3945.03,1408.08 ccw(c3945.03,1422.52) 3959.47,1422.52 3959.47,1468.22 3959.47,1497.84 4021.53,1559.89 4024.67,1563.04 ccw(c4014.46,1573.25) 4024.67,1583.47 4023.49,1584.64 cw(c4033.71,1594.86) 4023.49,1605.07 cw(c4033.71,1594.86) 4043.92,1605.07 4050.35,1598.64 ccw(c4060.56,1608.86) 4070.78,1598.64 ccw(c4060.56,1608.86) 4070.78,1619.07 4064.35,1625.5 cw(c4074.57,1635.71) 4064.35,1645.93 cw(c4074.57,1635.71) 4084.78,1645.93 4085.96,1644.75 ccw(c4096.17,1654.97) 4106.39,1644.75 4152.05,1690.41 4317.95,1856.31 v1(4317.95,1883.63)
DQ8: U1.D7 U2.J2 | length 1497.3
  TOP w8.89: 4015.75,1094.49 3916.89,1193.35 3916.89,1651.55 3979.78,1714.44 3982.92,1717.58 ccw(c3972.71,1727.79) 3982.92,1738.01 3970.07,1750.86 cw(c3980.28,1761.07) 3970.07,1771.29 cw(c3980.28,1761.07) 3990.5,1771.29 4042.41,1719.38 ccw(c4052.62,1729.59) 4062.84,1719.38 ccw(c4052.62,1729.59) 4062.84,1739.8 4044.21,1758.44 cw(c4054.42,1768.65) 4044.21,1778.86 4073.12,1807.78 4105.34,1840 4360.3,1840 4456.14,1935.83 4456.14,1971.32 4470.75,1985.93 4470.75,2002.25 U2.J2@4472.44,2003.94
DQ9: U1.C3 U2.J1 | length 1495.2
  TOP w8.89: 4047.24,1094.49 3970,1171.73 3970,1462.74 3984.95,1477.69 3988.09,1480.84 ccw(c3977.88,1491.05) 3988.09,1501.26 3980.31,1509.05 cw(c3990.52,1519.26) 3980.31,1529.48 cw(c3990.52,1519.26) 4000.74,1529.48 4023.94,1506.27 ccw(c4034.16,1516.48) 4044.37,1506.27 ccw(c4034.16,1516.48) 4044.37,1526.7 4021.16,1549.91 cw(c4031.38,1560.12) 4021.16,1570.33 cw(c4031.38,1560.12) 4041.59,1570.33 4064.8,1547.13 ccw(c4075.02,1557.34) 4085.23,1547.13 ccw(c4075.02,1557.34) 4085.23,1567.55 4062.02,1590.76 cw(c4072.24,1600.98) 4062.02,1611.19 cw(c4072.24,1600.98) 4082.45,1611.19 4105.66,1587.98 ccw(c4115.87,1598.2) 4126.09,1587.98 ccw(c4115.87,1598.2) 4126.09,1608.41 4102.88,1631.62 cw(c4113.09,1641.83) 4102.88,1652.05 cw(c4113.09,1641.83) 4123.31,1652.05 4131.09,1644.26 ccw(c4141.31,1654.48) 4151.52,1644.26 4201.87,1694.62 4274.57,1767.32 4332.85,1767.32 4472.44,1906.91 U2.J1@4472.44,1964.57
DQ10: U1.C8 U2.K3 | length 1500.1
  TOP w8.89: 4047.24,1031.5 4048.44,1032.69 4048.44,1042.52 4062.56,1056.65 4062.56,1100.83 4034.73,1128.67 4034.73,1391.38 4215.23,1571.88 4218.37,1575.02 ccw(c4208.16,1585.24) 4218.37,1595.45 4208.69,1605.13 cw(c4218.9,1615.35) 4208.69,1625.56 cw(c4218.9,1615.35) 4229.12,1625.56 4255.01,1599.67 ccw(c4265.22,1609.89) 4275.43,1599.67 ccw(c4265.22,1609.89) 4275.44,1620.1 4249.55,1645.99 cw(c4259.76,1656.21) 4249.55,1666.42 cw(c4259.76,1656.21) 4269.98,1666.42 ; 4269.98,1666.42 4295.86,1640.53 ccw(c4306.08,1650.75) 4316.29,1640.53 ccw(c4306.08,1650.75) 4316.29,1660.96 4290.4,1686.85 cw(c4300.62,1697.06) 4290.4,1707.28 cw(c4300.62,1697.06) 4310.83,1707.28 4320.52,1697.59 ccw(c4330.73,1707.81) 4340.94,1697.59 4358.33,1714.98 4490,1846.65 4490,2021.5 U2.K3@4511.81,2043.31